# Altium PCB DIOT_Kasli_Adapter.PcbDoc (part 8 of 10) (continued)
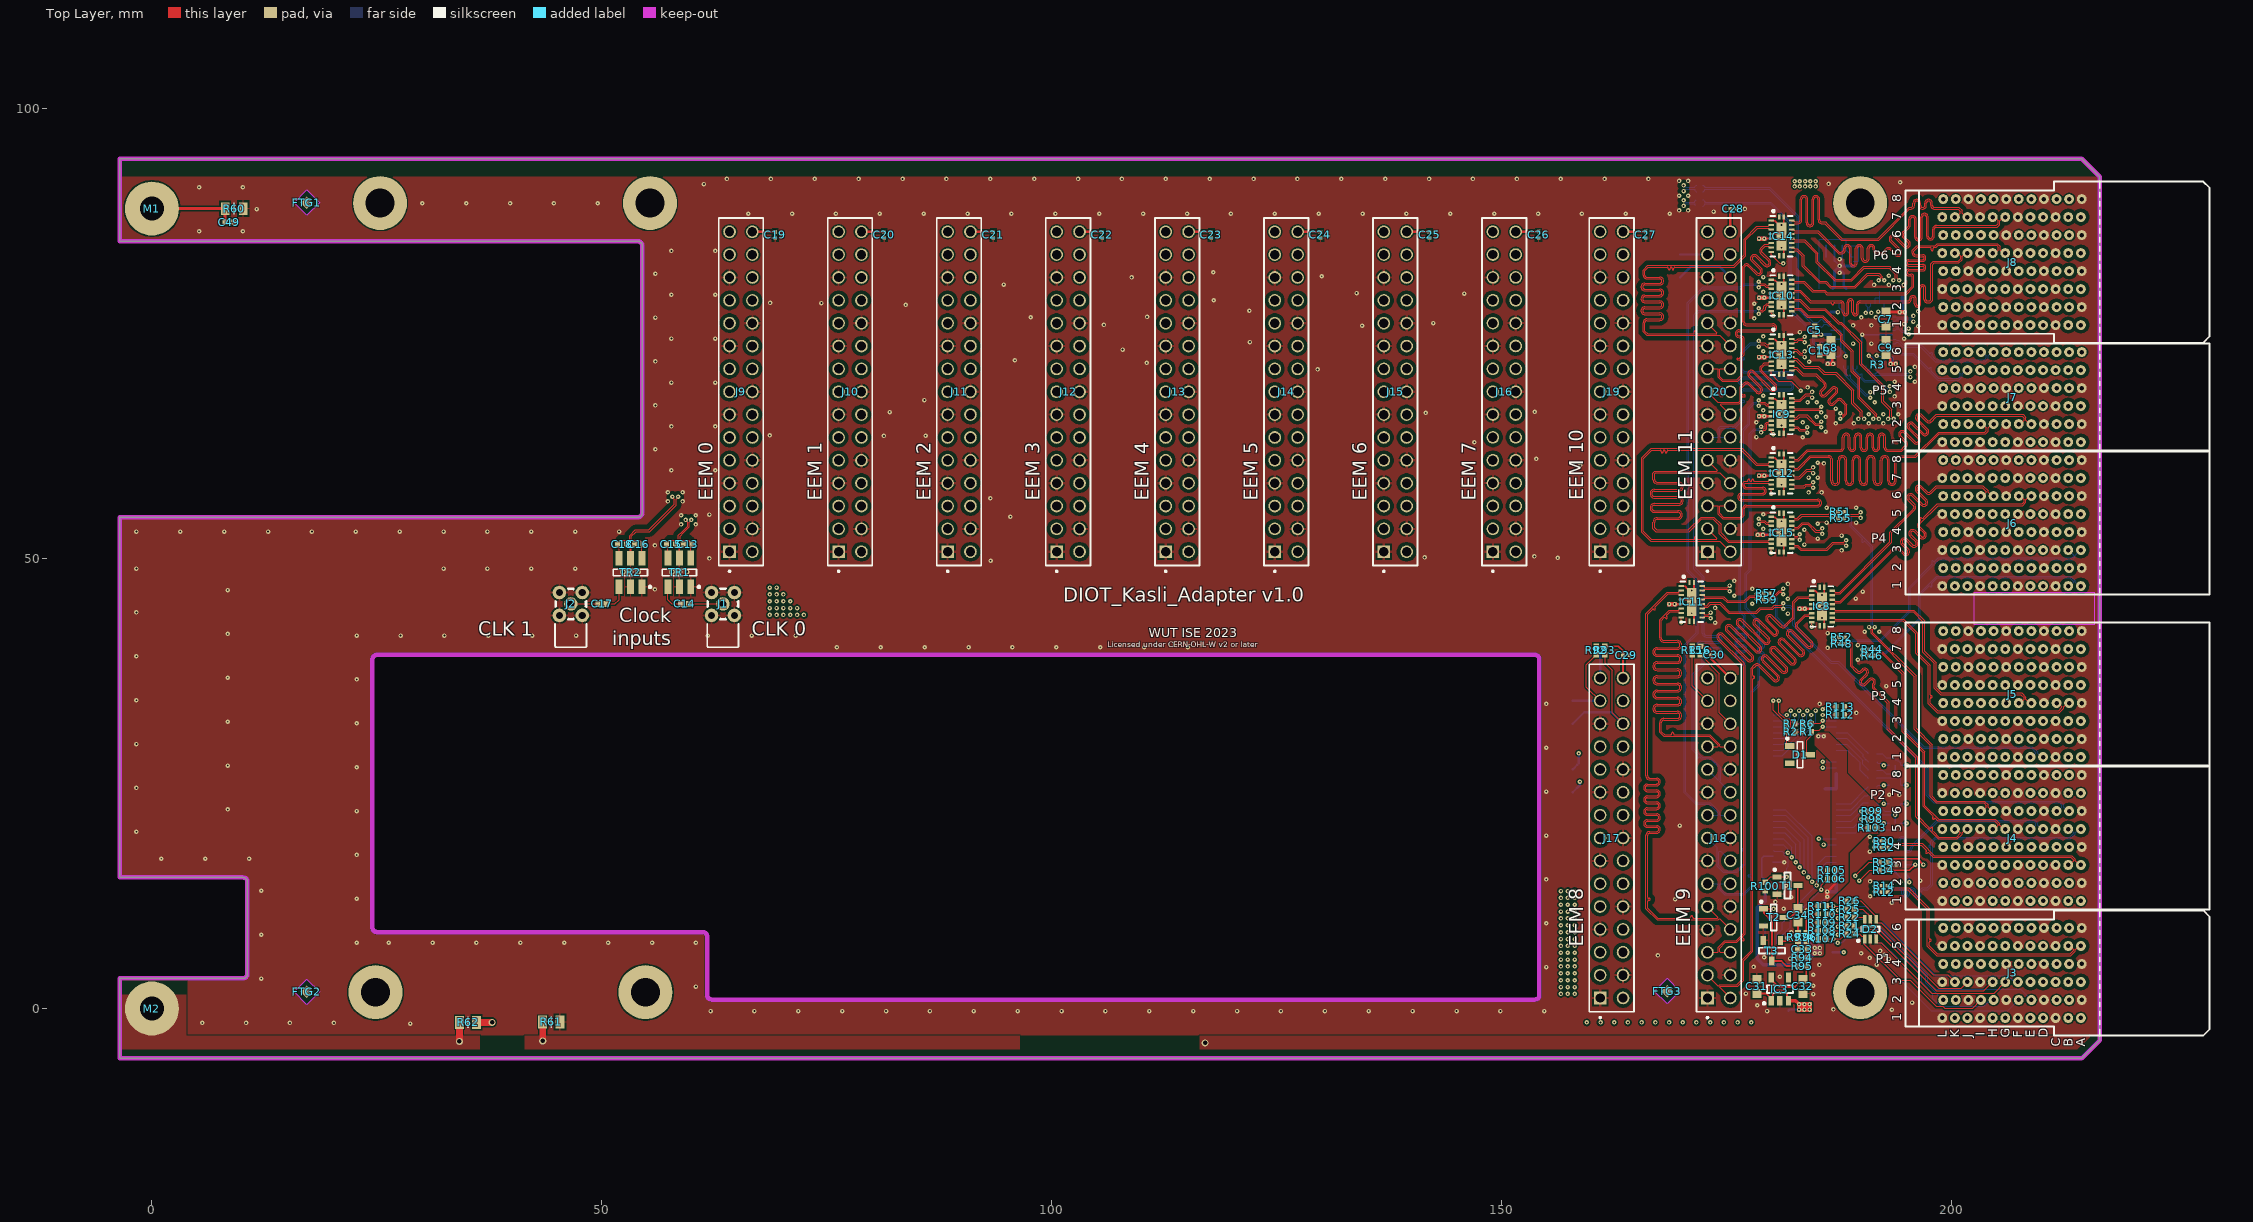
[diagram p0: Top Layer view]
## Nets (pads, with @x,y where several pads share a name; then routed paths per layer and width w, separated by ;. In a path a pad name is that pad's centre, name@x,y a point inside that pad or via, vN(x,y) a via of type N, cw(c..) or ccw(c..) an arc to the next point about the centre after c; other vN are vias at no path point) (continued)
EXT11.LVDS_3_P: IC13.3 J20.11 | length 39.2
  Top Layer w0.089: v1(178.571,74.186) 178.603,74.186 178.821,73.968 179.264,73.968 179.49,73.742 179.644,73.742 179.696,73.794 179.696,73.816 179.776,73.897 IC13.3@179.951,73.897
  Bottom Layer w0.089: J20.11@172.872,63.47 173.995,63.47 174.047,63.522 174.047,64.439 174.301,64.694 175.835,64.694 176.552,65.411 176.552,67.872 176.552,68.44 cw(c176.977,68.44) 176.977,68.866 182.052,68.866 ccw(c182.052,69.101) 182.052,69.336 176.662,69.336 cw(c176.662,69.761) 176.662,70.186 182.052,70.186 ccw(c182.052,70.421) 182.052,70.656 176.977,70.656 cw(c176.977,71.082) 176.552,71.082 176.552,71.222 176.552,72.914 177.606,73.968 178.321,73.968 178.539,74.186 v1(178.571,74.186)
EXT11.LVDS_4_N: IC13.7 J20.15 | length 19.8
  Top Layer w0.089: J20.15@172.872,68.55 174.038,67.384 174.111,67.384 176.335,67.384 176.504,67.553 176.504,68.935 176.504,69.074 176.914,69.485 cw(c177.215,69.184) 177.516,69.485 178.405,68.596 ccw(c178.571,68.762) 178.737,68.596 ccw(c178.571,68.762) 178.737,68.928 177.467,70.199 cw(c177.767,70.5) 177.466,70.801 cw(c177.767,70.5) 178.037,70.829 178.04,70.829 180.004,68.865 ccw(c180.17,69.032) 180.336,68.866 ccw(c180.17,69.032) 180.335,69.198 178.783,70.751 cw(c179.083,71.052) 178.782,71.353 178.881,71.452 179.171,71.742 179.644,71.742 179.696,71.794 179.696,71.816 179.776,71.897 IC13.7@179.951,71.897
EXT11.LVDS_4_P: IC13.8 J20.14 | length 20.1
  Top Layer w0.089: J20.14@175.412,66.01 174.354,67.068 174.354,67.142 174.406,67.194 176.414,67.194 176.694,67.474 176.694,67.615 176.694,67.875 cw(c176.802,67.875) 176.802,67.983 176.983,67.983 ccw(c176.983,68.091) 176.983,68.199 176.802,68.199 cw(c176.802,68.307) 176.694,68.307 176.694,68.478 176.694,68.744 176.694,68.995 177.049,69.35 cw(c177.215,69.184) 177.381,69.35 178.27,68.462 ccw(c178.571,68.762) 178.872,68.461 ccw(c178.571,68.762) 178.9,69.032 178.9,69.035 177.601,70.334 cw(c177.767,70.5) 177.601,70.666 cw(c177.767,70.5) 177.934,70.666 179.868,68.731 ccw(c180.17,69.032) 180.47,68.731 ccw(c180.17,69.032) 180.498,69.302 180.498,69.305 178.917,70.886 cw(c179.083,71.052) 178.917,71.218 179.016,71.317 179.25,71.551 179.644,71.551 179.696,71.499 179.696,71.477 179.776,71.397 IC13.8@179.951,71.397
EXT11.LVDS_5_N: IC14.7 J20.18 | length 36.4
  Top Layer w0.089: J20.18@175.412,71.09 174.289,71.09 174.237,71.038 174.237,70.231 174.577,69.891 176.133,69.891 176.545,70.303 176.545,71.78 176.545,71.971 ccw(c176.437,71.971) 176.437,72.079 176.258,72.079 cw(c176.258,72.187) 176.258,72.295 176.437,72.295 ccw(c176.437,72.403) 176.545,72.403 176.545,72.507 176.779,72.741 176.779,72.771 176.779,73.697 176.779,74.337 ccw(c176.544,74.337) 176.544,74.572 176.382,74.572 cw(c176.382,74.998) 176.382,75.423 180.155,75.423 ccw(c180.155,75.658) 180.155,75.893 177.204,75.893 cw(c177.204,76.318) 176.779,76.318 176.779,76.458 176.779,82.099 176.779,82.474 176.934,82.63 cw(c177.235,82.329) 177.536,82.63 178.398,81.768 ccw(c178.564,81.934) 178.73,81.768 ccw(c178.564,81.934) 178.73,82.101 177.77,83.06 cw(c178.07,83.361) 177.77,83.662 cw(c178.07,83.361) 178.341,83.69 178.343,83.69 179.332,82.702 ccw(c179.498,82.868) 179.664,82.702 ccw(c179.498,82.868) 179.663,83.035 ; 179.663,83.035 178.803,83.895 cw(c179.103,84.197) 178.802,84.498 178.901,84.596 179.218,84.914 179.644,84.914 179.696,84.966 179.696,84.988 179.776,85.069 IC14.7@179.951,85.069
EXT11.LVDS_5_P: IC14.8 J20.17 | length 36.1
  Top Layer w0.089: J20.17@172.872,71.09 173.995,71.09 174.047,71.038 174.047,70.152 174.498,69.701 176.212,69.701 176.735,70.224 176.735,72.428 176.969,72.663 176.969,73.697 176.969,74.337 ccw(c176.544,74.337) 176.544,74.763 176.382,74.763 cw(c176.382,74.998) 176.382,75.233 180.155,75.233 ccw(c180.155,75.658) 180.155,76.083 177.204,76.083 cw(c177.204,76.318) 176.969,76.318 176.969,76.458 176.969,81.909 176.969,82.395 177.069,82.495 cw(c177.235,82.329) 177.401,82.495 178.262,81.634 ccw(c178.564,81.934) 178.864,81.634 ccw(c178.564,81.934) 178.892,82.205 178.892,82.207 177.904,83.196 cw(c178.07,83.361) 177.904,83.528 cw(c178.07,83.361) 178.237,83.527 ; 178.237,83.527 179.196,82.568 ccw(c179.498,82.868) 179.798,82.568 ccw(c179.498,82.868) 179.826,83.138 179.826,83.141 178.937,84.031 cw(c179.103,84.197) 178.937,84.363 179.036,84.462 179.297,84.723 179.644,84.723 179.696,84.671 179.696,84.649 179.776,84.569 IC14.8@179.951,84.569
EXT11.LVDS_6_N: IC14.4 J20.21 | length 50.8
  Top Layer w0.089: J20.21@172.872,76.17 173.93,75.112 173.93,75.038 173.878,74.986 172.009,74.986 171.748,74.986 cw(c171.748,75.094) 171.64,75.094 171.64,75.216 ccw(c171.533,75.216) 171.425,75.216 171.425,75.094 cw(c171.317,75.094) 171.317,74.986 170.981,74.986 166.211,74.986 165.912,75.285 165.912,75.351 165.912,76.227 cw(c166.147,76.227) 166.147,76.462 167.583,76.462 ccw(c167.583,76.888) 167.583,77.313 165.906,77.313 cw(c165.906,77.548) 165.906,77.783 167.583,77.783 ccw(c167.583,78.208) 167.583,78.634 165.906,78.634 cw(c165.906,78.869) 165.906,79.104 167.583,79.104 ccw(c167.583,79.529) 167.583,79.955 165.906,79.955 cw(c165.906,80.19) 165.906,80.425 167.583,80.425 ccw(c167.583,80.85) 167.583,81.275 166.147,81.275 cw(c166.147,81.51) 165.912,81.51 165.912,81.65 165.912,81.994 166.317,82.399 168.137,82.399 168.398,82.399 cw(c168.398,82.291) 168.506,82.291 168.506,82.22 ccw(c168.614,82.22) 168.722,82.22 168.722,82.291 cw(c168.829,82.291) 168.937,82.291 168.937,82.22 ccw(c169.045,82.22) 169.153,82.22 169.153,82.291 cw(c169.261,82.291) 169.261,82.399 169.57,82.399 175.859,82.399 177.13,83.67 177.13,85.414 178.44,86.723 179.644,86.723 179.696,86.671 179.696,86.649 179.776,86.569 IC14.4@179.951,86.569
EXT11.LVDS_6_P: IC14.3 J20.20 | length 50.5
  Top Layer w0.089: J20.20@175.412,73.63 174.246,74.796 166.132,74.796 165.722,75.206 165.722,75.351 165.722,76.227 cw(c166.147,76.227) 166.147,76.653 167.583,76.653 ccw(c167.583,76.888) 167.583,77.123 165.906,77.123 cw(c165.906,77.548) 165.906,77.973 167.583,77.973 ccw(c167.583,78.208) 167.583,78.443 165.906,78.443 cw(c165.906,78.869) 165.906,79.294 167.583,79.294 ccw(c167.583,79.529) 167.583,79.764 165.906,79.764 cw(c165.906,80.19) 165.906,80.615 167.583,80.615 ccw(c167.583,80.85) 167.583,81.085 166.147,81.085 cw(c166.147,81.51) 165.722,81.51 165.722,81.65 165.722,82.073 166.238,82.59 175.78,82.59 176.94,83.749 176.94,85.493 178.361,86.914 179.644,86.914 179.696,86.966 179.696,86.988 179.776,87.069 IC14.3@179.951,87.069
EXT11.LVDS_7_N: IC15.4 J20.24 | length 33.2
  Top Layer w0.089: v1(178.571,53.801) 178.603,53.801 178.821,54.019 179.185,54.019 179.411,53.793 179.644,53.793 179.696,53.741 179.696,53.719 179.776,53.639 IC15.4@179.951,53.639
  L3 w0.089: J20.24@175.412,78.71 174.315,78.71 174.263,78.762 174.263,79.28 174.801,79.818 176.248,79.818 176.999,79.067 176.999,78.889 176.999,78.628 cw(c176.891,78.628) 176.891,78.52 176.815,78.52 ccw(c176.815,78.412) 176.815,78.304 176.891,78.304 cw(c176.891,78.197) 176.999,78.197 176.999,78.012 176.999,54.915 177.92,53.994 178.313,53.994 178.506,53.801 v1(178.571,53.801)
EXT11.LVDS_7_P: IC15.3 J20.23 | length 33.2
  Top Layer w0.089: v1(178.571,54.428) 178.603,54.428 178.821,54.21 179.264,54.21 179.49,53.984 179.644,53.984 179.696,54.036 179.696,54.058 179.776,54.139 IC15.3@179.951,54.139
  L3 w0.089: J20.23@172.872,78.71 173.969,78.71 174.021,78.762 174.021,79.38 174.701,80.059 176.348,80.059 177.241,79.167 177.241,78.889 177.241,78.672 177.241,78.012 177.241,55.015 178.02,54.235 178.313,54.235 178.506,54.428 v1(178.571,54.428)
EXT11_MUX_sel_5: IC5.14 IC12.9 IC13.9 IC14.9 IC15.9 R112.2 | length 69.5
  Top Layer w0.102: v1(179.951,50.643) IC15.9@179.951,51.139 ; v1(179.951,57.229) IC12.9@179.951,57.725 ; IC13.9@179.951,70.897 179.951,70.522 180.756,69.718 182.181,69.718 v1(183.241,68.657) ; IC14.9@179.951,84.069 179.951,83.772 180.914,82.81 v1(181.289,82.81)
  Top Layer w0.127: v1(185.678,32.62) R112.2@187.166,32.62
  L3 w0.102: v1(179.951,50.643) v1(179.951,57.229) ; v1(181.289,82.81) 182.016,82.083 182.016,69.883 v1(183.241,68.657)
  L9 w0.102: v1(179.951,50.643) 179.951,43.476 181.324,42.104 181.324,34.026 180.822,33.525 180.822,32.135 181.312,31.645 184.703,31.645 v1(185.678,32.62) ; v1(179.951,57.229) 179.951,61.219 182.61,63.878 182.61,68.026 v1(183.241,68.657)
  Bottom Layer w0.127: v1(185.678,32.62) IC5.14@187.166,32.62
EXT11a.LVDS_0_N: IC12.18 J7.F2 | length 51.7
  Top Layer w0.089: IC12.18@182.251,60.725 182.426,60.725 182.507,60.805 182.507,60.827 182.559,60.879 183.009,60.879 184.042,61.913 187.49,61.913 187.63,61.913 ccw(c187.63,62.339) 188.055,62.339 188.055,63.507 cw(c188.29,63.507) 188.525,63.507 188.525,62.339 ccw(c188.95,62.339) 189.376,62.339 189.376,63.507 cw(c189.611,63.507) 189.846,63.507 189.846,62.339 ccw(c190.271,62.339) 190.697,62.339 190.697,63.507 cw(c190.932,63.507) 191.167,63.507 191.167,62.339 ccw(c191.592,62.339) 192.018,62.339 192.018,63.497 cw(c192.252,63.497) 192.487,63.497 192.487,62.339 ccw(c192.913,62.339) 192.913,61.913 193.503,61.913 194.469,61.913 194.882,62.326 194.981,62.425 ccw(c194.68,62.726) 194.981,63.027 194.371,63.636 cw(c194.538,63.802) 194.372,63.968 cw(c194.538,63.802) 194.704,63.968 195.81,62.862 ccw(c196.111,63.163) 196.412,62.862 ccw(c196.111,63.163) 196.44,63.433 196.44,63.436 195.305,64.57 cw(c195.472,64.736) 195.306,64.902 cw(c195.472,64.736) 195.638,64.902 ; 195.639,64.902 196.744,63.796 ccw(c197.045,64.097) 197.346,63.796 ccw(c197.045,64.097) 197.374,64.367 197.374,64.37 196.239,65.504 cw(c196.406,65.67) 196.24,65.836 cw(c196.406,65.67) 196.572,65.836 ; 196.572,65.835 197.181,65.227 ccw(c197.482,65.528) 197.783,65.227 198.239,65.682 198.385,65.828 207.862,65.828 208.073,65.617 208.073,65.364 207.66,64.95 J7.F2@207.469,64.95
EXT11a.LVDS_0_P: IC12.19 J7.E2 | length 52
  Top Layer w0.089: IC12.19@182.251,61.225 182.426,61.225 182.507,61.144 182.507,61.122 182.559,61.07 182.93,61.07 183.964,62.104 187.49,62.104 187.63,62.104 ccw(c187.63,62.339) 187.865,62.339 187.865,63.507 cw(c188.29,63.507) 188.716,63.507 188.716,62.339 ccw(c188.95,62.339) 189.185,62.339 189.185,63.507 cw(c189.611,63.507) 190.036,63.507 190.036,62.339 ccw(c190.271,62.339) 190.506,62.339 190.506,63.507 cw(c190.932,63.507) 191.357,63.507 191.357,62.339 ccw(c191.592,62.339) 191.827,62.339 191.827,63.497 cw(c192.252,63.497) 192.678,63.497 192.678,62.339 ccw(c192.913,62.339) 192.913,62.104 193.503,62.104 194.39,62.104 194.748,62.461 194.846,62.56 ccw(c194.68,62.726) 194.846,62.892 194.238,63.501 cw(c194.538,63.802) 194.237,64.103 cw(c194.538,63.802) 194.808,64.131 194.811,64.131 195.945,62.996 ccw(c196.111,63.163) 196.277,62.997 ccw(c196.111,63.163) 196.277,63.329 195.171,64.435 cw(c195.472,64.736) 195.171,65.037 cw(c195.472,64.736) 195.742,65.065 195.745,65.065 196.879,63.93 ccw(c197.045,64.097) 197.211,63.93 ccw(c197.045,64.097) 197.211,64.263 ; 197.211,64.263 196.105,65.369 cw(c196.406,65.67) 196.105,65.971 cw(c196.406,65.67) 196.676,65.999 196.679,65.999 197.316,65.361 ccw(c197.482,65.528) 197.648,65.361 198.104,65.817 198.306,66.019 207.941,66.019 208.264,65.696 208.264,65.364 208.678,64.95 J7.E2@208.869,64.95
EXT11a.LVDS_1_N: IC12.17 J7.I2 | length 52.3
  Top Layer w0.089: IC12.17@182.251,60.225 182.426,60.225 182.507,60.144 182.507,60.122 182.559,60.07 182.926,60.07 184.299,61.443 185.013,61.443 186.288,61.443 cw(c186.288,60.954) 186.777,60.954 186.777,58.629 ccw(c187.075,58.629) 187.373,58.629 187.373,60.954 cw(c187.862,60.954) 188.351,60.954 188.351,58.629 ccw(c188.65,58.629) 188.948,58.629 188.948,60.954 cw(c189.437,60.954) 189.926,60.954 189.926,58.629 ccw(c190.225,58.629) 190.523,58.629 190.523,60.967 cw(c191.012,60.967) 191.501,60.967 191.501,58.629 ccw(c191.799,58.629) 192.098,58.629 192.098,60.954 cw(c192.587,60.954) 193.076,60.954 193.076,58.629 ccw(c193.374,58.629) 193.673,58.629 193.673,60.954 cw(c194.162,60.954) 194.162,61.443 194.301,61.443 195.933,61.443 198.558,64.069 203.716,64.069 203.873,64.226 203.873,64.536 203.46,64.95 J7.I2@203.269,64.95
EXT11a.LVDS_1_P: IC12.16 J7.H2 | length 52.6
  Top Layer w0.089: IC12.16@182.251,59.725 182.426,59.725 182.507,59.805 182.507,59.827 182.559,59.879 183.005,59.879 184.378,61.253 185.013,61.253 186.288,61.253 cw(c186.288,60.954) 186.586,60.954 186.586,58.629 ccw(c187.075,58.629) 187.564,58.629 187.564,60.954 cw(c187.862,60.954) 188.161,60.954 188.161,58.629 ccw(c188.65,58.629) 189.139,58.629 189.139,60.954 cw(c189.437,60.954) 189.736,60.954 189.736,58.629 ccw(c190.225,58.629) 190.714,58.629 190.714,60.967 cw(c191.012,60.967) 191.31,60.967 191.31,58.629 ccw(c191.799,58.629) 192.288,58.629 192.288,60.954 cw(c192.587,60.954) 192.885,60.954 192.885,58.629 ccw(c193.374,58.629) 193.863,58.629 193.863,60.954 cw(c194.162,60.954) 194.162,61.253 194.301,61.253 196.011,61.253 198.637,63.878 203.795,63.878 204.064,64.147 204.064,64.536 204.478,64.95 J7.H2@204.669,64.95
EXT11a.LVDS_2_N: IC15.16 J7.L2 | length 37
  Top Layer w0.089: IC15.16@182.251,53.139 182.426,53.139 182.507,53.219 182.507,53.241 182.559,53.293 182.966,53.293 183.485,53.812 184.004,53.812 184.862,52.954 185.378,52.954 185.596,52.736 v1(185.628,52.736)
  L4 w0.089: v1(185.628,52.736) 185.693,52.736 185.886,52.928 187.031,52.928 188.388,54.285 188.388,56.756 188.534,56.902 188.962,57.33 cw(c189.173,57.119) 189.385,57.329 189.426,57.288 ccw(c189.808,57.669) 190.19,57.288 ccw(c189.808,57.669) 190.225,58.012 190.225,58.016 189.742,58.498 cw(c189.954,58.708) 189.743,58.919 cw(c189.954,58.708) 190.166,58.919 ; 190.166,58.919 190.363,58.722 ; 190.363,58.722 ccw(c190.745,59.103) 191.127,58.722 ccw(c190.745,59.103) 191.162,59.446 191.162,59.45 190.928,59.684 cw(c191.14,59.894) 190.929,60.105 cw(c191.14,59.894) 191.351,60.104 ; 191.352,60.104 191.548,59.908 ; 191.548,59.907 ccw(c191.93,60.289) 192.312,59.907 ccw(c191.93,60.289) 192.347,60.631 192.347,60.635 192.113,60.869 cw(c192.325,61.079) 192.114,61.29 cw(c192.325,61.079) 192.537,61.29 192.733,61.093 ccw(c193.116,61.474) 193.497,61.092 ccw(c193.116,61.474) 193.533,61.817 193.533,61.82 193.299,62.054 cw(c193.511,62.264) 193.3,62.475 cw(c193.511,62.264) 193.722,62.475 193.919,62.278 ; 193.919,62.278 ccw(c194.301,62.659) 194.683,62.278 ccw(c194.301,62.659) 194.718,63.002 194.718,63.006 194.484,63.24 cw(c194.696,63.45) 194.485,63.661 cw(c194.696,63.45) 194.908,63.66 195.104,63.464 ccw(c195.486,63.845) 195.868,63.463 ccw(c195.486,63.845) 195.903,64.187 195.903,64.191 195.669,64.425 cw(c195.881,64.635) 195.67,64.846 cw(c195.881,64.635) 196.093,64.846 ; 196.093,64.846 196.538,64.401 ; 196.538,64.4 ccw(c196.92,64.782) 197.302,64.4 ccw(c196.92,64.782) 197.337,65.124 197.337,65.128 197.26,65.206 cw(c197.471,65.417) 197.26,65.628 197.376,65.744 197.449,65.817 199.419,65.817 199.655,65.581 199.655,65.368 199.237,64.95 J7.L2@199.069,64.95
EXT11a.LVDS_2_P: IC15.17 J7.K2 | length 37.4
  Top Layer w0.089: IC15.17@182.251,53.639 182.426,53.639 182.507,53.558 182.507,53.536 182.559,53.484 182.887,53.484 183.406,54.003 184.083,54.003 184.941,53.144 185.378,53.144 185.596,53.363 v1(185.628,53.363)
  L4 w0.089: v1(185.628,53.363) 185.693,53.363 185.886,53.17 186.931,53.17 188.147,54.385 188.147,56.856 188.363,57.072 188.791,57.501 cw(c189.173,57.119) 189.516,57.536 189.519,57.536 189.598,57.457 ccw(c189.808,57.669) 190.019,57.458 ccw(c189.808,57.669) 190.019,57.881 189.573,58.326 ; 189.573,58.326 cw(c189.954,58.708) 189.573,59.09 cw(c189.954,58.708) 190.297,59.125 190.301,59.125 190.535,58.891 ccw(c190.745,59.103) 190.956,58.892 ccw(c190.745,59.103) 190.955,59.315 190.759,59.511 cw(c191.14,59.894) 190.758,60.275 cw(c191.14,59.894) 191.483,60.311 191.486,60.311 191.72,60.077 ccw(c191.93,60.289) 192.141,60.078 ccw(c191.93,60.289) 192.141,60.5 191.944,60.697 ; 191.944,60.697 cw(c192.325,61.079) 191.944,61.461 cw(c192.325,61.079) 192.668,61.496 192.672,61.496 192.906,61.262 ccw(c193.116,61.474) 193.327,61.263 ccw(c193.116,61.474) 193.326,61.686 193.13,61.882 ; 193.129,61.883 cw(c193.511,62.264) 193.129,62.646 cw(c193.511,62.264) 193.853,62.681 193.857,62.681 194.091,62.447 ccw(c194.301,62.659) 194.512,62.448 ccw(c194.301,62.659) 194.512,62.871 194.315,63.067 cw(c194.696,63.45) 194.314,63.831 cw(c194.696,63.45) 195.039,63.867 195.042,63.867 195.276,63.633 ccw(c195.486,63.845) 195.697,63.634 ccw(c195.486,63.845) 195.697,64.056 ; 195.5,64.253 cw(c195.881,64.635) 195.5,65.017 cw(c195.881,64.635) 196.224,65.052 196.228,65.052 196.71,64.57 ccw(c196.92,64.782) 197.131,64.571 ccw(c196.92,64.782) 197.131,64.993 197.089,65.035 cw(c197.471,65.417) 197.089,65.798 197.206,65.915 197.349,66.058 199.519,66.058 199.897,65.681 199.897,65.34 200.287,64.95 J7.K2@200.469,64.95 ; 195.5,64.253 195.697,64.056
EXT11a.LVDS_3_N: IC13.18 J8.B7 | length 44.9
  Top Layer w0.089: IC13.18@182.251,73.897 182.426,73.897 182.507,73.977 182.507,73.999 182.559,74.051 182.824,74.051 183.017,74.244 183.4,74.244 183.605,74.04 v1(183.658,74.04)
  L3 w0.089: v1(183.658,74.04) 183.722,74.04 183.915,74.232 184.186,74.232 184.553,74.6 184.553,75.652 183.618,76.587 183.618,82.965 185.911,85.258 192.353,85.258 195.909,88.813 213.197,88.813 213.548,88.463 213.548,88.389 213.109,87.95 J8.B7@212.969,87.95
EXT11a.LVDS_3_P: IC13.19 J8.A7 | length 45.3
  Top Layer w0.089: IC13.19@182.251,74.397 182.426,74.397 182.507,74.316 182.507,74.294 182.559,74.242 182.745,74.242 182.938,74.435 183.413,74.435 183.644,74.667 v1(183.658,74.667)
  L3 w0.089: v1(183.658,74.667) 183.722,74.667 183.915,74.474 184.086,74.474 184.312,74.7 184.312,75.552 183.377,76.487 183.377,83.065 185.811,85.499 192.253,85.499 195.809,89.055 213.297,89.055 213.789,88.563 213.789,88.389 214.229,87.95 J8.A7@214.369,87.95
EXT11a.LVDS_4_N: IC13.17 J8.E7 | length 66.6
  Top Layer w0.089: IC13.17@182.251,73.397 182.426,73.397 182.507,73.316 182.507,73.294 182.559,73.242 182.791,73.242 183.214,72.819 183.393,72.819 183.596,73.021 183.596,73.024 v1(183.658,73.024)
  L3 w0.089: v1(183.658,73.024) 183.722,73.024 183.915,72.831 184.4,72.831 185.207,73.637 185.771,73.637 186.23,74.096 186.23,75.311 186.23,75.355 ccw(c186.122,75.355) 186.122,75.463 185.916,75.463 cw(c185.916,75.571) 185.916,75.679 186.122,75.679 ccw(c186.122,75.787) 186.23,75.787 186.23,75.971 186.23,75.977 186.23,76.142 ccw(c185.995,76.142) 185.995,76.377 184.976,76.377 cw(c184.976,76.853) 184.976,77.329 186.496,77.329 ccw(c186.496,77.564) 186.496,77.799 184.976,77.799 cw(c184.976,78.275) 184.976,78.752 187.001,78.752 ccw(c187.001,78.987) 187.001,79.222 184.976,79.222 cw(c184.976,79.698) 184.976,80.174 187.001,80.174 ccw(c187.001,80.409) 187.001,80.644 184.976,80.644 cw(c184.976,81.12) 184.976,81.596 186.675,81.596 ccw(c186.675,81.831) 186.675,82.066 184.976,82.066 cw(c184.976,82.543) 184.976,83.019 185.995,83.019 ccw(c185.995,83.254) 186.23,83.254 186.23,84.11 186.23,84.243 186.734,84.746 192.795,84.746 194.974,86.926 195.08,87.032 195.851,87.032 cw(c195.851,86.555) 196.327,86.555 196.327,85.547 ccw(c196.562,85.547) 196.562,85.312 ccw(c196.562,85.547) 196.797,85.547 196.797,87.776 cw(c197.273,87.776) 197.273,88.252 cw(c197.273,87.776) 197.749,87.776 197.749,87.267 ccw(c197.984,87.267) 197.984,87.032 198.569,87.032 209.014,87.032 209.323,87.34 209.323,87.485 208.858,87.95 J8.E7@208.769,87.95
EXT11a.LVDS_4_P: IC13.16 J8.D7 | length 66.4
  Top Layer w0.089: IC13.16@182.251,72.897 182.426,72.897 182.507,72.977 182.507,72.999 182.559,73.051 182.712,73.051 183.135,72.628 183.404,72.628 183.636,72.397 v1(183.658,72.397)
  L3 w0.089: v1(183.658,72.397) 183.722,72.397 183.915,72.589 184.5,72.589 185.307,73.396 185.871,73.396 186.472,73.996 186.472,75.977 186.472,76.142 ccw(c185.995,76.142) 185.995,76.618 184.976,76.618 cw(c184.976,76.853) 184.976,77.088 186.496,77.088 ccw(c186.496,77.564) 186.496,78.04 184.976,78.04 cw(c184.976,78.275) 184.976,78.51 187.001,78.51 ccw(c187.001,78.987) 187.001,79.463 184.976,79.463 cw(c184.976,79.698) 184.976,79.933 187.001,79.933 ccw(c187.001,80.409) 187.001,80.885 184.976,80.885 cw(c184.976,81.12) 184.976,81.355 186.675,81.355 ccw(c186.675,81.831) 186.675,82.308 184.976,82.308 cw(c184.976,82.543) 184.976,82.778 185.995,82.778 ccw(c185.995,83.254) 186.472,83.254 186.472,84.11 186.472,84.143 186.834,84.505 192.895,84.505 194.974,86.585 195.18,86.79 195.851,86.79 cw(c195.851,86.555) 196.086,86.555 196.086,85.547 ccw(c196.562,85.547) 196.562,85.071 ccw(c196.562,85.547) 197.038,85.547 197.038,87.776 cw(c197.273,87.776) 197.273,88.011 cw(c197.273,87.776) 197.508,87.776 197.508,87.267 ccw(c197.984,87.267) 197.984,86.79 198.569,86.79 209.114,86.79 209.615,87.291 209.615,87.485 210.079,87.95 J8.D7@210.169,87.95
EXT11a.LVDS_5_N: IC14.17 J8.H7 | length 50.1
  Top Layer w0.089: IC14.17@182.251,86.569 182.426,86.569 182.507,86.488 182.507,86.466 182.559,86.414 185.191,86.414 187.532,84.073 187.624,84.073 187.764,84.073 ccw(c187.764,84.308) 187.999,84.308 187.999,84.481 cw(c188.424,84.481) 188.85,84.481 188.85,82.835 ccw(c189.085,82.835) 189.32,82.835 189.32,84.481 cw(c189.745,84.481) 190.171,84.481 190.171,83.361 ccw(c190.406,83.361) 190.641,83.361 190.641,84.481 cw(c191.066,84.481) 191.491,84.481 191.491,84.308 ccw(c191.726,84.308) 191.726,84.073 192.241,84.073 192.259,84.073 192.346,84.073 192.708,84.435 cw(c193.008,84.134) 193.309,84.435 193.901,83.843 ccw(c194.067,84.01) 194.233,83.843 ccw(c194.067,84.01) 194.233,84.176 ; 194.232,84.176 193.178,85.23 cw(c193.479,85.532) 193.178,85.833 cw(c193.479,85.532) 193.749,85.86 193.751,85.86 194.835,84.777 ccw(c195.001,84.943) 195.167,84.777 ccw(c195.001,84.943) 195.167,85.11 194.576,85.701 cw(c194.876,86.002) 194.575,86.303 194.674,86.401 195.032,86.759 195.104,86.831 ccw(c194.773,87.162) 195.241,87.162 195.241,87.695 cw(c195.667,87.695) 195.667,88.12 cw(c195.667,87.695) 196.092,87.695 196.092,85.739 ccw(c196.327,85.739) 196.327,85.504 ccw(c196.327,85.739) 196.562,85.739 196.562,87.942 cw(c196.987,87.942) 196.987,88.367 cw(c196.987,87.942) 197.413,87.942 197.413,85.833 ccw(c197.648,85.833) 197.648,85.599 ccw(c197.648,85.833) 197.883,85.833 197.883,86.602 cw(c198.308,86.602) 198.308,87.028 199.004,87.028 204.993,87.028 205.173,87.208 205.173,87.536 204.76,87.95 J8.H7@204.569,87.95
EXT11a.LVDS_5_P: IC14.16 J8.G7 | length 50.5
  Top Layer w0.089: IC14.16@182.251,86.069 182.426,86.069 182.507,86.149 182.507,86.171 182.559,86.223 185.112,86.223 187.453,83.883 187.624,83.883 187.764,83.883 ccw(c187.764,84.308) 188.189,84.308 188.189,84.481 cw(c188.424,84.481) 188.659,84.481 188.659,82.835 ccw(c189.085,82.835) 189.51,82.835 189.51,84.481 cw(c189.745,84.481) 189.98,84.481 189.98,83.361 ccw(c190.406,83.361) 190.831,83.361 190.831,84.481 cw(c191.066,84.481) 191.301,84.481 191.301,84.308 ccw(c191.726,84.308) 191.726,83.883 192.241,83.883 192.425,83.883 192.437,83.895 192.842,84.3 cw(c193.008,84.134) 193.174,84.3 193.765,83.709 ccw(c194.067,84.01) 194.368,83.709 ccw(c194.067,84.01) 194.395,84.28 194.395,84.282 193.312,85.366 cw(c193.479,85.532) 193.312,85.698 cw(c193.479,85.532) 193.645,85.698 194.699,84.643 ccw(c195.001,84.943) 195.302,84.643 ccw(c195.001,84.943) 195.329,85.214 195.329,85.216 194.71,85.836 cw(c194.876,86.002) 194.71,86.168 194.809,86.267 195.032,86.489 195.239,86.697 ccw(c194.773,87.162) 195.432,87.162 195.432,87.695 cw(c195.667,87.695) 195.667,87.929 cw(c195.667,87.695) 195.902,87.695 195.902,85.739 ccw(c196.327,85.739) 196.327,85.313 ccw(c196.327,85.739) 196.752,85.739 196.752,87.942 cw(c196.987,87.942) 196.987,88.177 cw(c196.987,87.942) 197.222,87.942 197.222,85.833 ccw(c197.648,85.833) 197.648,85.408 ccw(c197.648,85.833) 198.073,85.833 198.073,86.602 cw(c198.308,86.602) 198.308,86.837 199.004,86.837 205.072,86.837 205.364,87.129 205.364,87.536 205.778,87.95 J8.G7@205.969,87.95
EXT11a.LVDS_6_N: IC14.18 J8.K7 | length 35.9
  Top Layer w0.089: IC14.18@182.251,87.069 182.426,87.069 182.507,87.149 182.507,87.171 182.559,87.223 182.801,87.223 182.941,87.223 ccw(c182.941,87.649) 183.367,87.649 183.367,89.926 cw(c183.602,89.926) 183.836,89.926 183.836,87.309 ccw(c184.262,87.309) 184.687,87.309 184.687,89.926 cw(c184.922,89.926) 185.157,89.926 185.157,87.649 ccw(c185.583,87.649) 185.583,87.223 185.918,87.223 186.188,86.953 187.765,85.376 191.888,85.376 195.325,88.813 195.35,88.837 195.465,88.837 ccw(c195.465,89.263) 195.89,89.263 195.89,89.501 cw(c196.125,89.501) 196.125,89.736 cw(c196.125,89.501) 196.36,89.501 196.36,89.263 ccw(c196.786,89.263) 196.786,88.837 ccw(c196.786,89.263) 197.211,89.263 197.211,89.501 cw(c197.446,89.501) 197.446,89.736 cw(c197.446,89.501) 197.681,89.501 197.681,89.263 ccw(c198.107,89.263) 198.107,88.837 198.613,88.837 200.748,88.837 200.973,88.611 200.973,88.364 200.56,87.95 J8.K7@200.369,87.95
EXT11a.LVDS_6_P: IC14.19 J8.J7 | length 36.2
  Top Layer w0.089: IC14.19@182.251,87.569 182.426,87.569 182.507,87.488 182.507,87.466 182.559,87.414 182.801,87.414 182.941,87.414 ccw(c182.941,87.649) 183.176,87.649 183.176,89.926 cw(c183.602,89.926) 184.027,89.926 184.027,87.309 ccw(c184.262,87.309) 184.497,87.309 184.497,89.926 cw(c184.922,89.926) 185.348,89.926 185.348,87.649 ccw(c185.583,87.649) 185.583,87.414 185.997,87.414 186.188,87.223 187.844,85.566 191.81,85.566 195.271,89.028 195.325,89.028 195.465,89.028 ccw(c195.465,89.263) 195.7,89.263 195.7,89.501 cw(c196.125,89.501) 196.125,89.927 cw(c196.125,89.501) 196.551,89.501 196.551,89.263 ccw(c196.786,89.263) 196.786,89.028 ccw(c196.786,89.263) 197.021,89.263 197.021,89.501 cw(c197.446,89.501) 197.446,89.927 cw(c197.446,89.501) 197.872,89.501 197.872,89.263 ccw(c198.107,89.263) 198.107,89.028 198.613,89.028 200.827,89.028 201.164,88.69 201.164,88.364 201.578,87.95 J8.J7@201.769,87.95
EXT11a.LVDS_7_N: IC15.18 R54.2 R55.1 | length 6.6
  Top Layer w0.089: IC15.18@182.251,54.139 182.426,54.139 182.507,54.219 182.507,54.241 182.559,54.293 182.952,54.293 183.391,54.733 186.361,54.733 v1@186.579,54.514 ; v1@186.643,54.514 186.861,54.733 187.13,54.733 187.182,54.681 187.182,54.638 187.348,54.472 R55.1@187.368,54.472
  Bottom Layer w0.089: v1(186.611,54.514) 186.643,54.514 186.861,54.733 187.13,54.733 187.182,54.681 187.182,54.638 187.348,54.472 R54.2@187.368,54.472
EXT11a.LVDS_7_P: IC15.19 R50.2 R51.1 | length 6.6
  Top Layer w0.089: IC15.19@182.251,54.639 182.426,54.639 182.507,54.558 182.507,54.536 182.559,54.484 182.873,54.484 183.312,54.923 186.361,54.923 v1@186.579,55.141 ; v1@186.643,55.141 186.861,54.923 187.13,54.923 187.182,54.975 187.182,55.018 187.348,55.183 R51.1@187.368,55.183
  Bottom Layer w0.089: v1(186.611,55.141) 186.643,55.141 186.861,54.923 187.13,54.923 187.182,54.975 187.182,55.018 187.348,55.184 R50.2@187.368,55.184
EXT11b.LVDS_0_N: IC12.14 J5.B5 | length 51.5
  Top Layer w0.089: IC12.14@182.251,58.725 182.426,58.725 182.507,58.805 182.507,58.827 182.559,58.879 183.125,58.879 183.977,59.731 184.361,59.731 184.579,59.513 v1(184.611,59.513)
  L3 w0.089: v1(184.611,59.513) 184.676,59.513 184.869,59.706 187.354,59.706 190.812,56.248 190.812,52.174 194.316,48.669 194.316,38.489 196.011,36.794 196.668,36.794 196.833,36.794 ccw(c196.833,37.207) 197.246,37.207 cw(c197.417,37.207) 197.588,37.207 ccw(c198.001,37.207) 198.001,36.794 198.628,36.794 213.272,36.794 213.548,36.519 213.548,36.263 213.235,35.95 J5.B5@212.969,35.95